# Altium PCB Layout.PcbDoc
Units mm, origin at the board's own origin, x right, y up, seen from the top; angles counter-clockwise.
Board outline 75 x 65 mm, 2 copper layers (Top Layer, Bottom Layer); 77 components, 63 nets, 325 pads, 92 vias.
Unrouted connection lines stored in the file: 80.
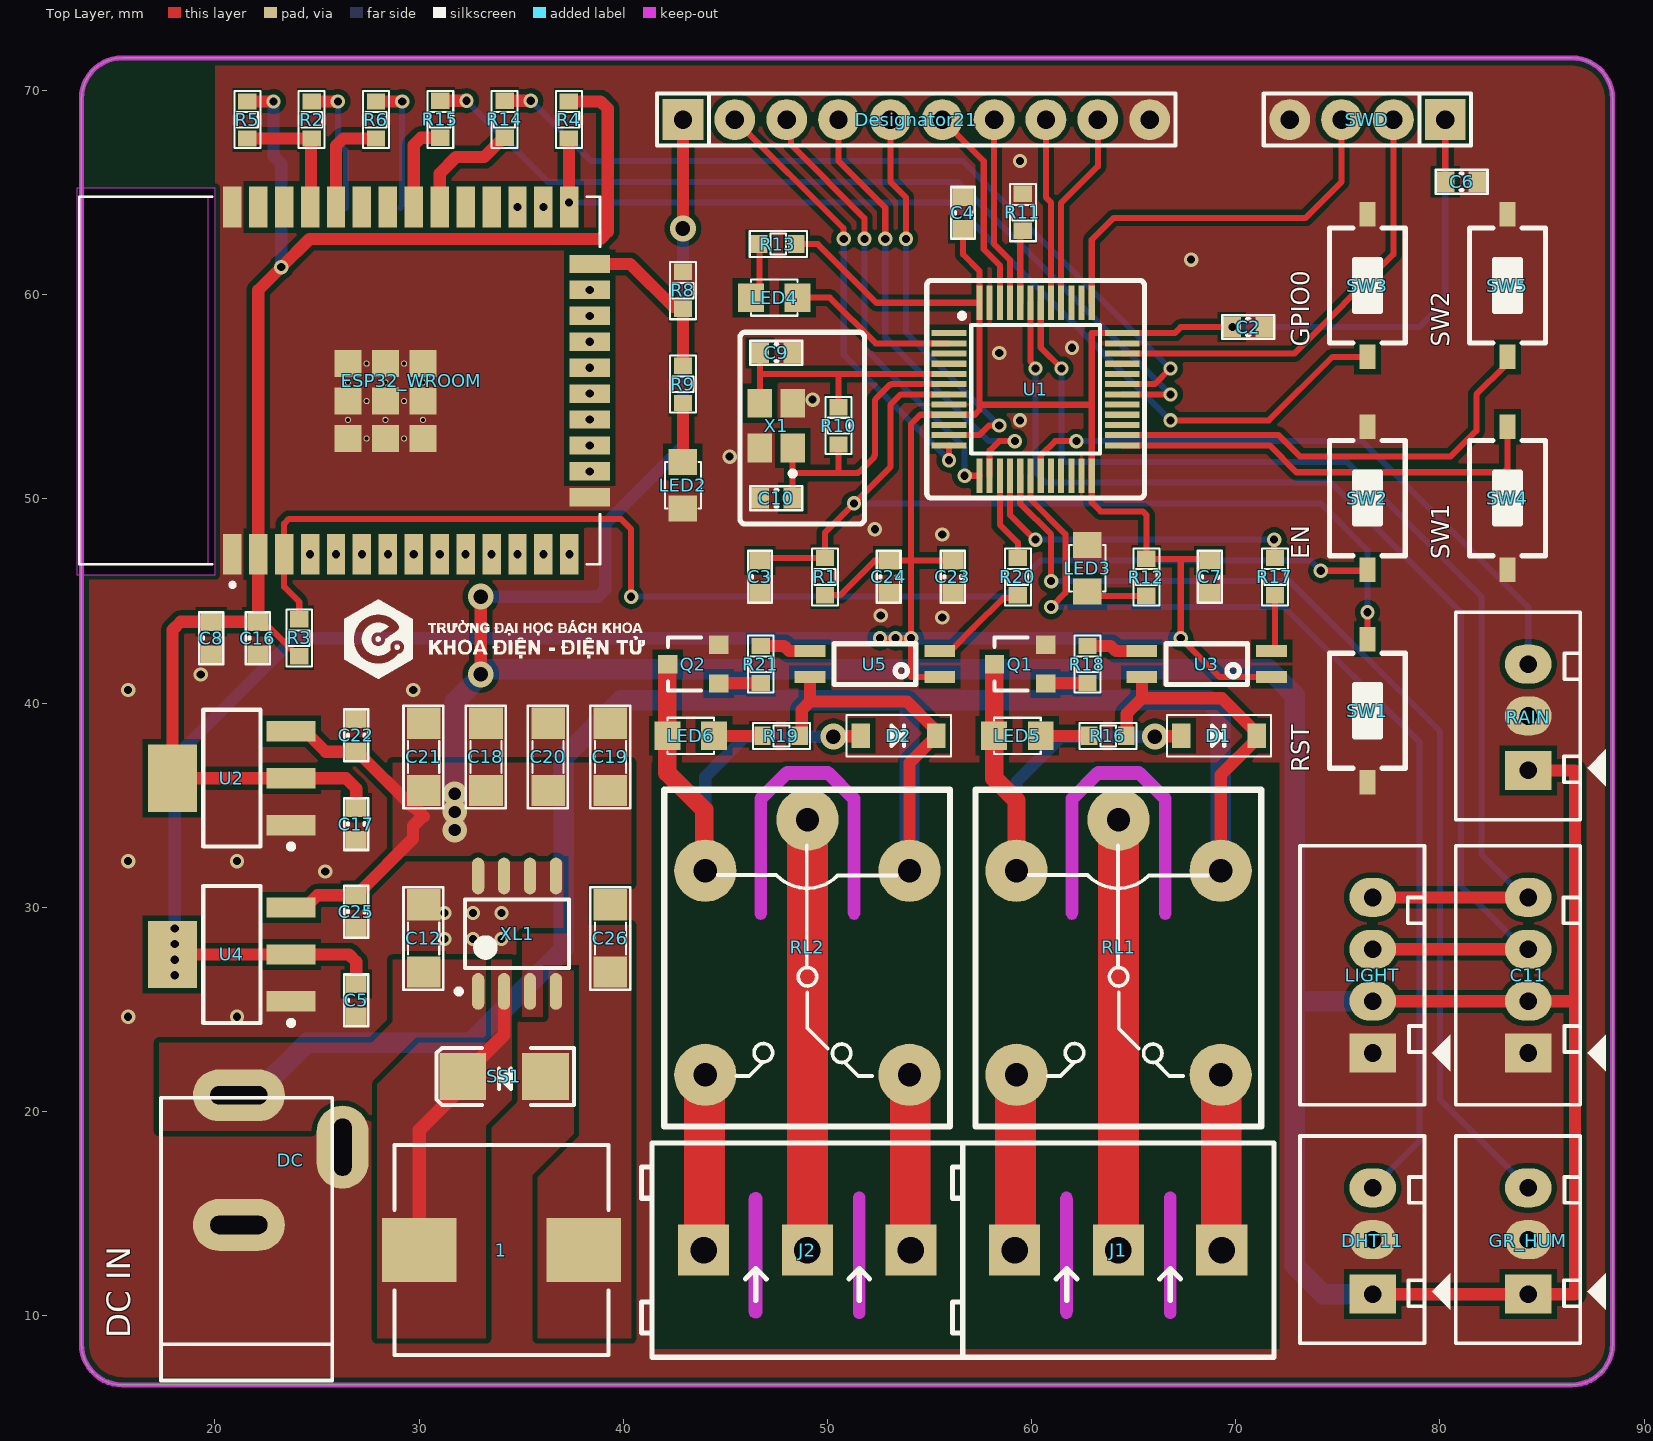
[diagram p0: Top Layer view]
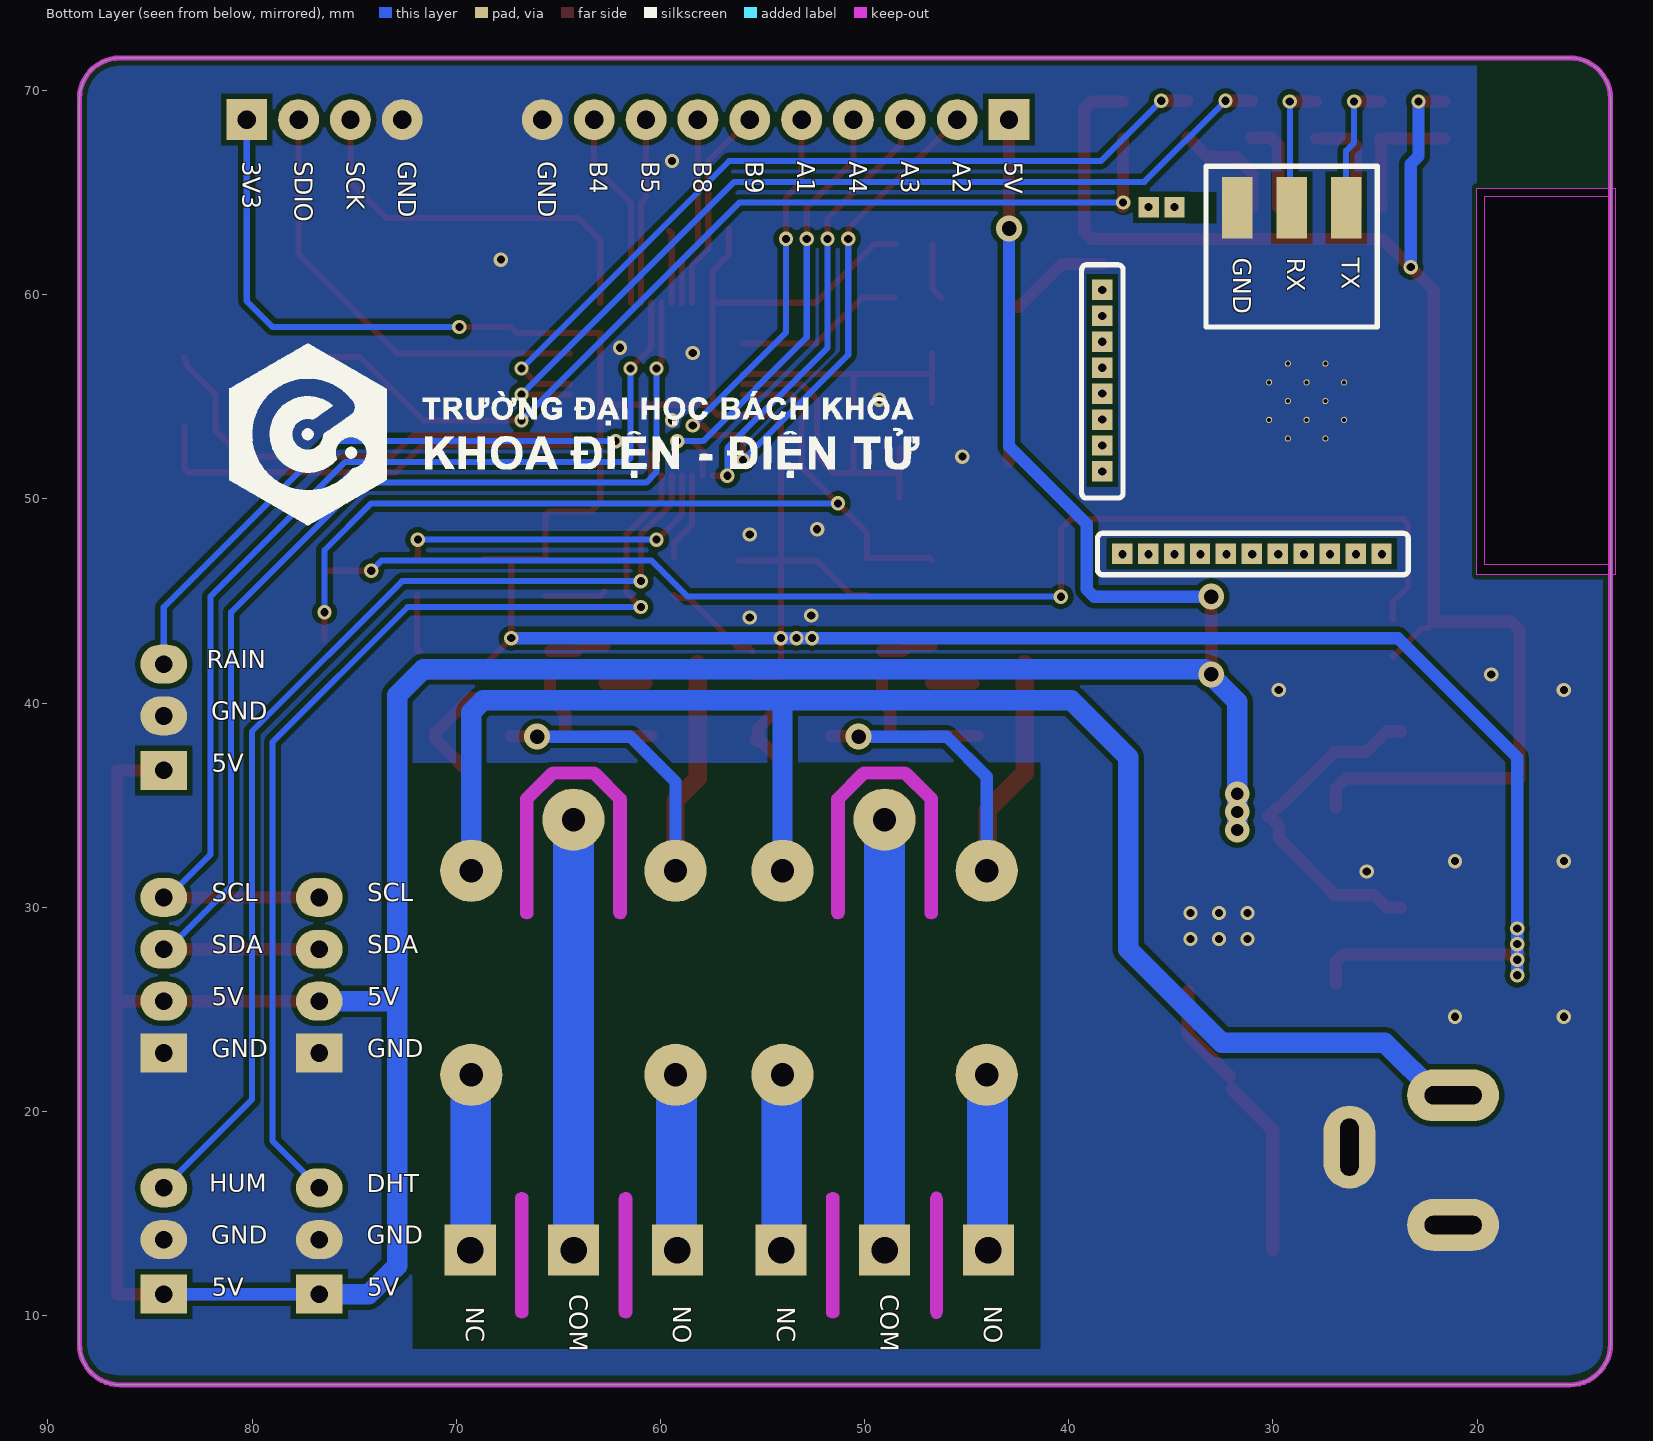
[diagram p1: Bottom Layer view, seen from below]
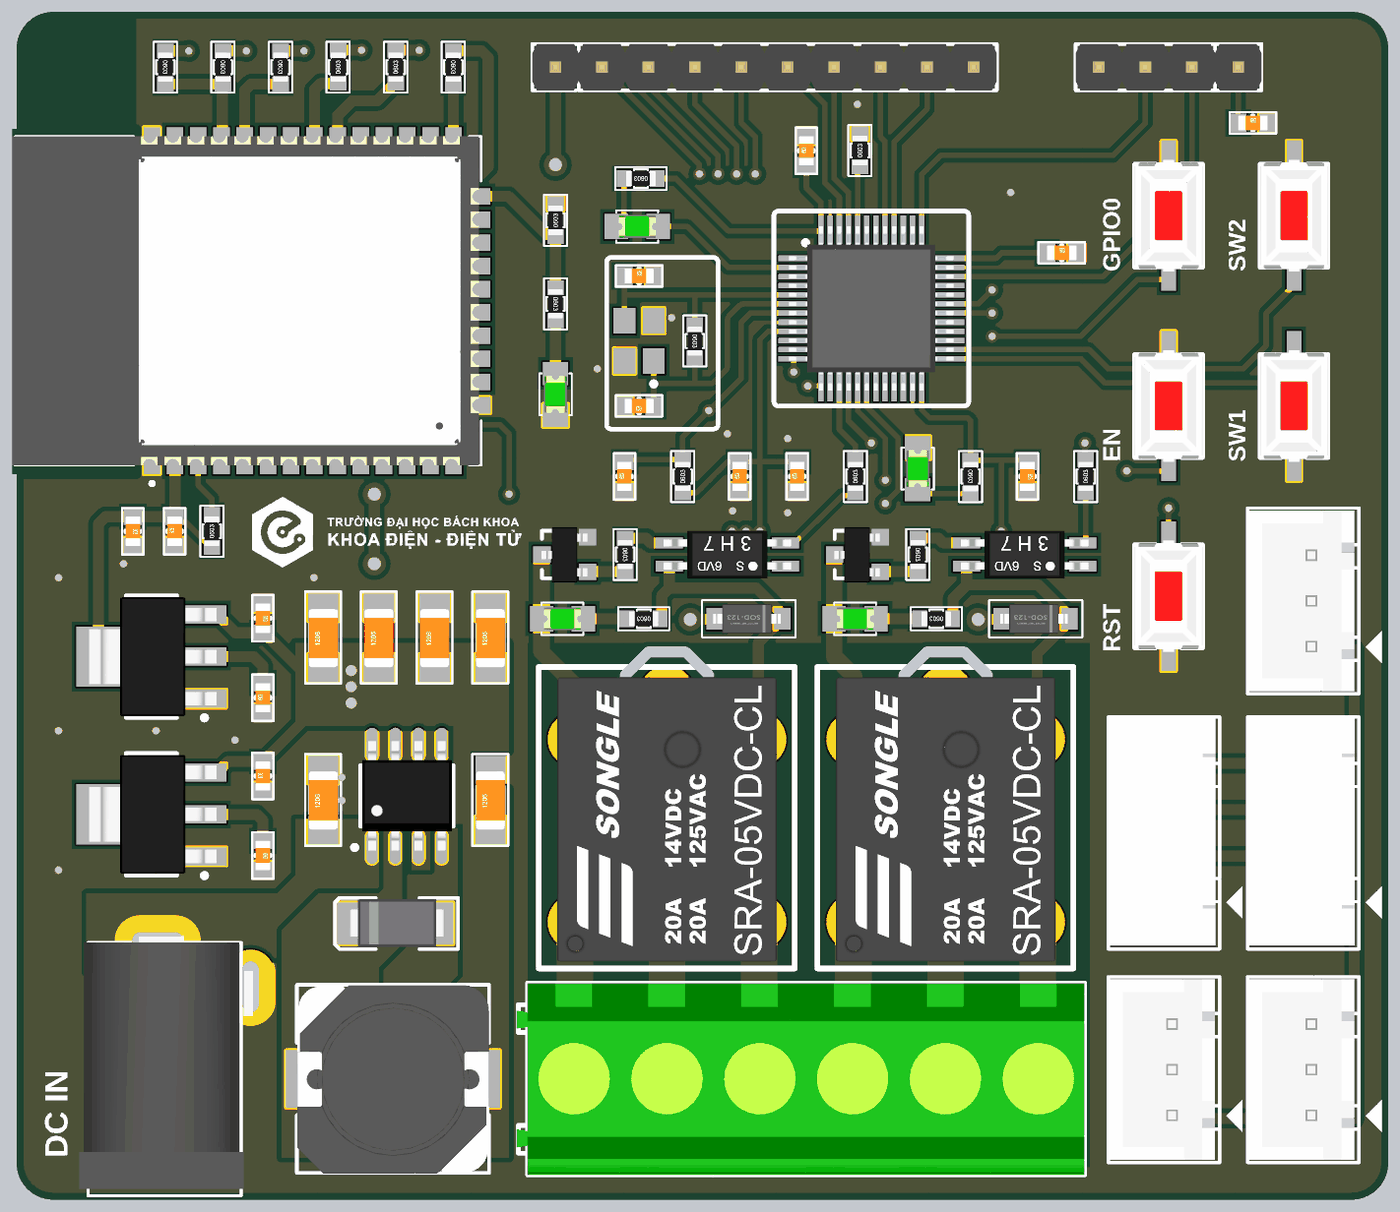
[diagram p2: 3D render of the assembled board from above, using the file's embedded part models]

## Layer stack, top to bottom
Top Solder: solder mask 0.0102, Solder Resist, Dk 3.5
Top Layer: signal copper 0.0356
Dielectric 1: dielectric 0.32, FR-4, Dk 4.8
Bottom Layer: signal copper 0.0356
Bottom Solder: solder mask 0.0102, Solder Resist, Dk 3.5

## Board outline
13.462,8.604 13.462,69.604 cw(c15.462,69.604) 15.462,71.604 86.462,71.604 cw(c86.462,69.604) 88.462,69.604 88.462,8.604 cw(c86.462,8.604) 86.462,6.604 15.462,6.604 cw(c15.462,8.604)
cut-out: 66.489,10.16 ccw(c66.789,10.16) 67.089,10.16 67.089,15.748 ccw(c66.789,15.748) 66.489,15.748
cut-out: 61.409,10.16 ccw(c61.709,10.16) 62.009,10.16 62.009,15.748 ccw(c61.709,15.748) 61.409,15.748
cut-out: 51.262,10.16 ccw(c51.562,10.16) 51.862,10.16 51.862,15.748 ccw(c51.562,15.748) 51.262,15.748
cut-out: 46.182,10.16 46.182,15.748 cw(c46.482,15.748) 46.782,15.748 46.782,10.16 cw(c46.482,10.16)
cut-out: 61.676,29.718 ccw(c61.976,29.718) 62.276,29.718 62.276,35.182 63.37,36.276 65.154,36.276 66.248,35.182 66.248,29.718 ccw(c66.548,29.718) 66.848,29.718 66.848,35.306 ccw(c66.548,35.306) 66.76,35.519 66.76,35.518 65.49,36.788 65.491,36.788 ccw(c65.278,36.576) 65.278,36.876 63.246,36.876 ccw(c63.246,36.576) 63.033,36.788 63.034,36.788 61.764,35.518 61.764,35.519 ccw(c61.976,35.306) 61.676,35.306
cut-out: 46.436,29.718 ccw(c46.736,29.718) 47.036,29.718 47.036,35.182 48.13,36.276 49.914,36.276 51.008,35.182 51.008,29.718 ccw(c51.308,29.718) 51.608,29.718 51.608,35.306 ccw(c51.308,35.306) 51.52,35.519 51.52,35.518 50.25,36.788 50.251,36.788 ccw(c50.038,36.576) 50.038,36.876 48.006,36.876 ccw(c48.006,36.576) 47.793,36.788 47.794,36.788 46.524,35.518 46.524,35.519 ccw(c46.736,35.306) 46.436,35.306
cut-out: 13.222,46.297 20.009,46.297 20.009,65.21 13.222,65.21

## Design rules (kind name [scope] priority, off if disabled: settings)
Clearance [All] p1: gap=0.256 ignorepadtopadclearanceinfootprint=TRUE
PolygonConnect [All] p1: connectstyle=Direct reliefconductorwidth=0.254 reliefentries=4 polygonreliefangle="90 Angle" airgapwidth=0.254
RoutingVias [All] p1: holewidth=0.711 width=1.27 viastyle="Through Hole" minholewidth=0.711 minwidth=1.27 maxholewidth=0.711 maxwidth=1.27
SolderMaskExpansion [All] p1: expansion=0.102 istentingtop=FALSE
Width [All] p1: maxlimit=3 minlimit=0.3 preferedwidth=0.6 minimp=50.000000 maximp=50.000000 favimp=50.000000
30 further rules are at their usual default settings.

## Classes and differential pairs
component class Sheet1: 1 C2 C3 C4 C5 C6 C7 C8 C9 C10 C11 C12 C16 C17 C18 C19 C22 C23 C24 D1 D2 DC DHT11 ESP32_WROOM GR_HUM J1 J2 LED2 LED4 LED5 LED6 LIGHT Q1 Q2 R1 R2 R3 R4 R5 R6 R8 R9 R10 R11 R13 R14 R15 R16 R17 R18 R19 R20 R21 RAIN RL1 RL2 SS1 SW2 SW3 "SW LIGHT" "SW MOTOR" SWD U1 U2 U4 X1 XL1

## Components (designator, comment, footprint, x,y, rotation, side; value= is the part's Value field where it differs from the comment)
1 "68uH" CDRH104R 34.036,13.208 r0 top value=1.5uH
C2 "0.1uF" CN-SMD-0603 70.612,58.42 r0 top value=103
C3 "0.1uF" CN-SMD-0603 46.699,46.182 r90 top value=103
C4 "0.1uF" CN-SMD-0603 56.642,64.008 r90 top value=103
C5 "0.1uF" CN-SMD-0603 26.924,25.438 r270 top value=103
C6 "0.1uF" CN-SMD-0603 81.064,65.532 r0 top value=103
C7 "0.1uF" CN-SMD-0603 68.736,46.182 r270 top value=103
C8 "10uF" CN-SMD-0603 19.812,43.18 r270 top value=103
C9 "20pF" CN-SMD-0603 47.498,57.15 r0 top value=103
C10 "20pF" CN-SMD-0603 47.498,50.038 r180 top value=103
C11 "LCD" Header4 84.328,22.86 r90 top
C12 "0.1uF" CN-SMD-1206 30.226,28.448 r90 top value=103
C16 "100nF" CN-SMD-0603 22.098,43.18 r90 top value=103
C17 "10uF" CN-SMD-0603 26.924,34.074 r90 top value=103
C18 "0.1uF" CN-SMD-1206 33.274,37.338 r90 top value=103
C19 "10uF" CN-SMD-1206 39.37,37.338 r90 top value=103
C20 "10uF" CN-SMD-1206 36.322,37.338 r90 top value=103 (schematic designator C19)
C21 "10uF" CN-SMD-1206 30.226,37.338 r90 top value=103 (schematic designator C19)
C22 "10uF" CN-SMD-0603 26.924,38.42 r270 top value=103
C23 "100nF" CN-SMD-0603 56.143,46.182 r90 top value=103
C24 "10uF" CN-SMD-0603 52.995,46.182 r90 top value=103
C25 "10uF" CN-SMD-0603 26.924,29.784 r90 top value=103 (schematic designator C22)
C26 "10uF" CN-SMD-1206 39.37,28.448 r90 top value=103 (schematic designator C19)
D1 "Diode SMD" DIO-SMD-123 69.088,38.392 r180 top value=1N5007 (schematic designator DIO1)
D2 "Diode SMD" DIO-SMD-123 53.396,38.392 r180 top value=1N5007 (schematic designator DIO2)
DC "Jac DC" DC0 23.712,17.613 r90 top (schematic designator JDC)
Designator21 "Comment" JP10-D1T 42.926,68.58 r0 top
DHT11 "DHT11" Header3 76.708,11.176 r90 top (schematic designator C26)
ESP32_WROOM "ESP32 WROOM 32" ESP32-WROOM-32D 26.11,55.793 r90 top locked (schematic designator *)
GR_HUM "GROUND_HUMIDITY" Header3 84.328,11.176 r90 top (schematic designator C25)
J1 "KF3" KF128-3P 59.169,13.208 r0 top
J2 "KF3" KF128-3P 43.942,13.208 r0 top
LED2 "LED" LED-0805-Green 42.926,51.816 r270 top value="LED 3 - 5 ly 2 Colour"
LED3 "LED" LED-0805-Green 62.732,45.466 r90 top value="LED 3 - 5 ly 2 Colour"
LED4 "LED" LED-0805-Green 46.253,59.86 r0 top value="LED 3 - 5 ly 2 Colour"
LED5 "LED" LED-0805-Green 60.452,38.392 r180 top value="LED 3 - 5 ly 2 Colour"
LED6 "LED" LED-0805-Green 44.45,38.392 r180 top value="LED 3 - 5 ly 2 Colour"
LIGHT "BH1750" Header4 76.708,22.86 r90 top (schematic designator C14)
Q1 "2SC1815" SOT23-321 59.436,41.91 r90 top value=C1815
Q2 "2SC1815" SOT23-321 43.434,41.91 r90 top value=C1815
R1 "10K" RES-SMD-0603 49.884,46.176 r90 top
R2 "1K" RES-SMD-0603 24.74,68.58 r270 top
R3 "10K" RES-SMD-0603 24.13,43.18 r90 top
R4 "10K" RES-SMD-0603 37.338,68.58 r270 top
R5 "10K" RES-SMD-0603 21.59,68.58 r270 top
R6 "1K" RES-SMD-0603 27.889,68.58 r270 top
R8 "10K" RES-SMD-0603 42.926,60.198 r90 top
R9 "1K" RES-SMD-0603 42.926,55.626 r270 top
R10 "1M" RES-SMD-0603 50.546,53.594 r270 top
R11 "10K" RES-SMD-0603 59.575,64.018 r90 top
R12 "1K" RES-SMD-0603 65.625,46.176 r270 top
R13 "1K" RES-SMD-0603 47.593,62.484 r180 top
R14 "1K" RES-SMD-0603 34.188,68.58 r90 top
R15 "1K" RES-SMD-0603 31.039,68.58 r90 top
R16 "1K" RES-SMD-0603 63.754,38.392 r180 top
R17 "1K" RES-SMD-0603 71.922,46.176 r90 top
R18 "1K" RES-SMD-0603 62.738,41.91 r270 top
R19 "1K" RES-SMD-0603 47.752,38.392 r180 top
R20 "1K" RES-SMD-0603 59.329,46.176 r90 top
R21 "1K" RES-SMD-0603 46.736,41.91 r270 top
RAIN "RAIN_SS" Header3 84.328,36.83 r90 top (schematic designator C21)
RL1 "Relay 10A/12V" "Relay - SRA-05VDC-CL" 64.262,26.595 r90 top value="Relay SPDT, 10A, 12V"
RL2 "Relay 10A/12V" "Relay - SRA-05VDC-CL" 49.022,26.595 r90 top value="Relay SPDT, 10A, 12V"
SS1 "SS34" DIO-SMD-A 34.29,21.59 r0 top
SW1 "EN/RST" SW1-SMD 76.454,39.624 r90 top value="SW chip 2 pin"
SW2 "EN/RST" SW1-SMD 76.454,50.038 r270 top value="SW chip 2 pin"
SW3 "BOOT" SW1-SMD 76.454,60.452 r270 top value="SW chip 2 pin"
SW4 "LIGHT" SW1-SMD 83.312,50.038 r90 top value="SW chip 2 pin"
SW5 "MOTOR" SW1-SMD 83.312,60.452 r270 top value="SW chip 2 pin"
SWD "SWD" JP4-D1T 80.264,68.58 r180 top (schematic designator C1)
U1 "STM32F103C8T6" LQFP-48_19.6_393_58X11_SMD 60.198,55.372 r0 top locked
U2 "LM1117-3.3V" SOT223 20.828,36.322 r90 top
U3 "Comment" EL3H7 68.58,41.91 r180 top
U4 "LM1117-3.3V" SOT223 20.828,27.686 r90 top
U5 "Comment" EL3H7 52.324,41.91 r180 top
X1 "8MHz" XT4-16.000MHz-4_V 47.498,53.594 r90 top value=4Mhz (schematic designator Y1)
XL1 "XL1509_5V" SO8 34.798,28.702 r90 top

## Footprints (in the part's own frame and the unit in brackets; to place one, negate y for a bottom-side part, rotate by r counter-clockwise, add the part's x,y. Pads: shape width x height; smd on the part's side, far side on the other; paste and mask are expansions set on the pad)
CDRH104R [mm] "Precision Wire Wound Inductor, 2-Leads, Body 10.35x10.15mm, IPC Medium Density"
  rect 3.65x3.15 smd: 1(-4.025,0) 2(4.025,0)
  silkscreen extent -5.25,-5.15 5.25,5.15, body extent -5.24,-5.17 5.26,5.13, height 4
CN-SMD-0603 [mm]
  rect 0.9x1 smd: 1(-0.8,0) 2(0.8,0)
  silkscreen extent -1.27,-0.58 1.27,0.58, body extent -0.8,-0.4 0.8,0.4, height 0.3
CN-SMD-1206 [mil]
  rect 60x65 smd: 1(-64,0) 2(66,0)
  silkscreen extent -98,-38 100,39, body extent -63,-31 63,32, height 40
DC0 [mm] "Jac DC input"
  oval 2.54x4.5 hole 0.9 slot 2.8 at 90 deg: 1(3.175,2.54) 2(-3.175,2.54)
  oval 4.064x2.54 hole 0.9 slot 2.8 at 0 deg: 3(0.635,-2.54)
  silkscreen extent -10.79,-2.03 3.05,6.35, body extent -10.42,-2.67 3.4,6.84, height 11.02
DIO-SMD-123 [mm]
  rect 0.9x1.2 smd: 1(1.757,0) 2(-1.943,0)
  silkscreen extent -2.65,-1.02 2.45,1.02, body extent -1.85,-0.8 1.85,0.8, height 1.25
DIO-SMD-A [mil]
  rect 90x90.55 smd: 1(75,5) 2(-85,5)
  silkscreen extent -135,-50 130,60, body extent -104,-45 101,57, height 95
EL3H7 [mm] "OPTO"
  rect 1.5x0.6 smd: A(-3.175,0.635) C(3.175,0.635) E(3.175,-0.635) K(-3.175,-0.635)
  silkscreen extent -2,-1 2,1, body extent -3.5,-1.3 3.5,1.3, height 2.02
ESP32-WROOM-32D [mm]
  rect 2x0.9 smd: 1(-8.5,5.26) 2(-8.5,3.99) 3(-8.5,2.72) 4(-8.5,1.45) 5(-8.5,0.18) 6(-8.5,-1.09) 7(-8.5,-2.36) 8(-8.5,-3.63) 9(-8.5,-4.9) 10(-8.5,-6.17) 11(-8.5,-7.44) 12(-8.5,-8.71) 13(-8.5,-9.98) 14(-8.5,-11.25) 25(8.5,-11.25) 26(8.5,-9.98) 27(8.5,-8.71) 28(8.5,-7.44) 29(8.5,-6.17) 30(8.5,-4.9) 31(8.5,-3.63) 32(8.5,-2.36) 33(8.5,-1.09) 34(8.5,0.18) 35(8.5,1.45) 36(8.5,2.72) 37(8.5,3.99) 38(8.5,5.26)
  rect 0.9x2 smd: 15(-5.715,-12.25) 16(-4.445,-12.25) 17(-3.175,-12.25) 18(-1.905,-12.25) 19(-0.635,-12.25) 20(0.635,-12.25) 21(1.905,-12.25) 22(3.175,-12.25) 23(4.445,-12.25) 24(5.715,-12.25)
  rect 1.33x1.33 smd: 39(-2.835,-2.24) 39(-2.835,-0.405) 39(-2.835,-4.075) 39(-1,-0.405) 39(-1,-4.075) 39(-1,-2.24) 39(0.835,-0.405) 39(0.835,-4.075) 39(0.835,-2.24)
  round 0.3 hole 0.2: 39(-2.835,-1.322) 39(-2.835,-3.157) 39(-1.917,-2.24) 39(-1.917,-0.405) 39(-1.917,-4.075) 39(-1,-1.322) 39(-1,-3.157) 39(-0.082,-0.405) 39(-0.082,-2.24) 39(-0.082,-4.075) 39(0.835,-1.322) 39(0.835,-3.157)
  Keep-Out Layer region: 9,6.45 -9,6.45 -9,12.75 9,12.75
  Keep-Out Layer region: 9,6.45 -9,6.45 -9,12.75 9,12.75
  silkscreen extent -10.1,-12.75 9,12.75, body extent -9,-12.62 9,12.88, height 3.2
Header3 [mil] "CON 3"
  rect 75x90 hole 34: 1(-5,0)
  oval 75x90 hole 34: 2(100,0) 3(200,0)
  silkscreen extent -100,-150 300,140, body extent -95,-90 295,136, height 276
Header4 [mil] "CON4"
  rect 75x90 hole 34: 1(0,0)
  oval 75x90 hole 34: 2(100,0) 3(200,0) 4(300,0)
  silkscreen extent -100,-150 400,140, body extent -92,-91 400,137, height 276
JP4-D1T [mm] "4 pins, 1 row, straight, gold plating"
  rect 2x2 hole 0.9: 1(0,0)
  round 2 hole 0.9: 2(2.54,0) 3(5.08,0) 4(7.62,0)
  silkscreen extent -1.27,-1.27 8.89,1.27, body extent -1.27,-1.27 8.89,1.27, height 8.54
JP10-D1T [mm] "10 pins, 1 row, straight, gold plating"
  rect 2x2 hole 0.9: 1(0,0)
  round 2 hole 0.9: 2(2.54,0) 3(5.08,0) 4(7.62,0) 5(10.16,0) 6(12.7,0) 7(15.24,0) 8(17.78,0) 9(20.32,0) 10(22.86,0)
  silkscreen extent -1.27,-1.27 24.13,1.27, body extent -1.27,-1.27 24.13,1.27, height 8.54
KF128-3P [mm]
  rect 2.5x2.5 hole 1.3: 1(0,0) 2(5.08,0) 3(10.147,0)
  silkscreen extent -3.05,-5.25 12.7,5.25, body extent -3.15,-5.25 12.69,5.25, height 14.55
LED-0805-Green [mil]
  rect 50x55 smd: 1(0,0) 2(90,0)
  silkscreen extent 0,-35 90,35, body extent 5,-25 85,25, height 43
LQFP-48_19.6_393_58X11_SMD [mm] "48LQFP"
  rect 1.7x0.3 smd mask+0.076: 1(-4.238,2.75) 2(-4.238,2.25) 3(-4.238,1.75) 4(-4.238,1.25) 5(-4.238,0.75) 6(-4.238,0.25) 7(-4.238,-0.25) 8(-4.238,-0.75) 9(-4.238,-1.25) 10(-4.238,-1.75) 11(-4.238,-2.25) 12(-4.238,-2.75) 25(4.238,-2.75) 26(4.238,-2.25) 27(4.238,-1.75) 28(4.238,-1.25) 29(4.238,-0.75) 30(4.238,-0.25) 31(4.238,0.25) 32(4.238,0.75) 33(4.238,1.25) 34(4.238,1.75) 35(4.238,2.25) 36(4.238,2.75)
  rect 0.3x1.7 smd mask+0.076: 13(-2.75,-4.238) 14(-2.25,-4.238) 15(-1.75,-4.238) 16(-1.25,-4.238) 17(-0.75,-4.238) 18(-0.25,-4.238) 19(0.25,-4.238) 20(0.75,-4.238) 21(1.25,-4.238) 22(1.75,-4.238) 23(2.25,-4.238) 24(2.75,-4.238) 37(2.75,4.238) 38(2.25,4.238) 39(1.75,4.238) 40(1.25,4.238) 41(0.75,4.238) 42(0.25,4.238) 43(-0.25,4.238) 44(-0.75,4.238) 45(-1.25,4.238) 46(-1.75,4.238) 47(-2.25,4.238) 48(-2.75,4.238)
  silkscreen extent -3.72,-3.15 3.15,3.72, body extent -4.5,-4.5 4.5,4.5, height 1.7
"Relay - SRA-05VDC-CL" [mil] "15.5 x 12.3 x 14mm"
  round 120 hole 45: 1(302.94,0) 2(-189.15,-196.85) 3(-189.15,196.85) 4(204.52,196.85) 5(204.52,-196.85)
  silkscreen extent -289,-275 361,276, body extent -275,-236 338,236, height 103
RES-SMD-0603 [mm]
  rect 0.8x0.9 smd: 1(-0.889,0) 2(0.927,0)
  silkscreen extent -1.4,-0.64 1.4,0.64, body extent -0.8,-0.4 0.8,0.4, height 0.43
SO8 [mm] "SOIC, 8-Leads, Body 4.9x3.9mm, Pitch 1.27mm, IPC High Density"
  oval 1.8x0.6 smd: 1(-2.825,1.905) 2(-2.825,0.635) 3(-2.825,-0.635) 4(-2.825,-1.905) 5(2.825,-1.905) 6(2.825,-0.635) 7(2.825,0.635) 8(2.825,1.905)
  silkscreen extent -2.95,-2.55 1.68,2.98, body extent -2.99,-2.45 3,2.45, height 1.6
SOT23-321 [mm]
  rect 0.9x0.95 smd mask+0: 1(0.95,-1.25)
  rect 0.9x0.95 smd: 2(0,1.25) 3(-0.95,-1.25)
  silkscreen extent -1.3,-0.38 1.3,1.25, body extent -1.52,-1.23 1.48,1.27, height 1.06
SOT223 [mm]
  rect 1x2.4 smd: 1(-2.3,-2.9) 2(0,-2.9) 3(2.3,-2.9)
  rect 3.3x2.4 smd: 4(0,2.9)
  silkscreen extent -3.47,-3.03 3.35,1.4, body extent -3.25,-3.56 3.25,3.4, height 1.68
SW1-SMD [mm]
  rect 1.2x0.8 smd: 1(-3.5,0) 2(3.5,0)
  silkscreen extent -2.82,-1.85 2.82,1.85, body extent -3.05,-1.85 3.05,1.85, height 2.5
XT4-16.000MHz-4_V [mm] "Hand Drawn, 4-Leads, Body 3.2x2.5 mm"
  rect 1.4x1.2 smd: 1(-1.1,-0.8) 2(1.1,-0.8) 3(1.1,0.8) 4(-1.1,0.8)
  silkscreen extent -2.47,-0.93 -2.23,-0.68, body extent -1.6,-1.25 1.6,1.25, height 0.9

## Part data
1: library part Inductor, "SMT Inductor"
C2 C3 C4 C5 C6 C7 C8 C9 C10 C12 C16 C17 C18 C19 C20 C21 C22 C23 C24 C25 C26: library part CM, "Cap SMD"
C11 LIGHT: library part Header4, "Header IDC, 4 x 1 Pin Vertical 2.54mm Pitch (Non-Boxed, Male)", Manufacturer="W¨¹rth Elektronik eiSos GmbH", partNo=613002143121, ComponentLink1 Description=Manufacturer, ComponentLink1URL=http://www.we-online.com, ComponentLink2 Description=Datasheet, ComponentLink2URL=http://katalog.we-online.de/em/datasheet/6130xx143121.pdf, Created by="Karrer Zheng", Created Date="29 March 2013", NoPins=02
D1 D2: "Default Diode", Code - JEDEC=DO-214-AB, Published=8-Jun-2000, Publisher="Altium Limited", Revision="July-2002: Re-released for DXP Platform."
DC: library part DCIN, "Jac DC input"
DHT11 GR_HUM RAIN: library part Header3, "Header IDC, 3 x 1 Pin Vertical 2.54mm Pitch (Non-Boxed, Male)", Manufacturer="W¨¹rth Elektronik eiSos GmbH", partNo=613002143121, ComponentLink1 Description=Manufacturer, ComponentLink1URL=http://www.we-online.com, ComponentLink2 Description=Datasheet, ComponentLink2URL=http://katalog.we-online.de/em/datasheet/6130xx143121.pdf, Created by="Karrer Zheng", Created Date="29 March 2013", NoPins=02
J1 J2: Manufacturer="Würth Elektronik eiSos GmbH", partNo=691103110003, ComponentLink1 Description=Manufacturer, ComponentLink1URL=http://www.we-online.com, ComponentLink2 Description=Datasheet, ComponentLink2URL=http://katalog.we-online.de/em/datasheet/6911031100xx.pdf, Created by="Karrer Zheng", Created Date="29 October 2013", NoPins=3
LED2 LED3 LED4 LED5 LED6: library part "LED SMD"
Q1 Q2: "NPN 600mW, ECB"
R1 R2 R3 R4 R5 R6 R8 R9 R10 R11 R12 R13 R14 R15 R16 R17 R18 R19 R20 R21: library part Res-SMD, "Resistor", Manufacturer="Generic Components", Class=Passive, Published=08/06/2000, Publisher="Altium Hobart Technology Centre"
RL1 RL2: library part "Relay 5", "Relay SPDT,10A - 12VDC 5 Pin"
SS1: library part "Diode SS34 ( 1N5822 )", "Dán", Chung_Loai=Dán, Don_Vi=Con, Ma_Hang=MH002104, Ten_Linh_Kien="Diode SS34 3A 40V SMA ( 1N5822 SS34A)"
SW1 SW2 SW3 SW4 SW5: library part SW2, "Switch button 2 pin"
SWD: library part JP4, "WR-PHD 2.54 mm Angled Socket Header", Manufacturer="W¨¹rth Elektronik eiSos GmbH", partNo=613004143121, ComponentLink1 Description=Manufacturer, ComponentLink1URL=http://www.we-online.com, ComponentLink2 Description=Datasheet, ComponentLink2URL=http://katalog.we-online.de/em/datasheet/6130xx143121.pdf, Created by="Karrer Zheng", Created Date="29 March 2013", NoPins=04
U1: library part IC_STM32F103C8T6, "ARM® Cortex®-M3 STM32F1 Microcontroller IC 32-Bit 72MHz 64KB (64K x 8) FLASH 48-LQFP (7x7)", Alternate Part Number-1=NA, Case/Package=LQFP48, Manufacturer=STMicroelectronics, Manufacturer Part Number=STM32F103C8T6, Supplier Part Number-1=STM32F103C8T6, Supplier-1=LCSC
U2 U4: library part LM1117, "800mA Low-Dropout Linear Regulator", Creator="Nguyen Ba Bien", Website=http://group3i.net
X1: library part "Thach Anh 2 chan SMD", "Crystal For all Crystal 2pin."
XL1: library part XL1509

## Free pads (board coordinates)
  rect 1.5x3 smd far side: 2(26.416,64.262) 2(29.083,64.262) 2(31.75,64.262)
  rect 1x1 smd far side: 3(24.683,47.315) 3(25.953,47.315) 3(27.223,47.315) 3(28.493,47.315) 3(29.763,47.315) 3(31.033,47.315) 3(32.303,47.315) 3(33.573,47.315) 3(34.82,64.293) 3(34.843,47.315) 3(36.09,64.293) 3(36.113,47.315) 3(37.383,47.315) 3(38.36,51.348) 3(38.36,52.618) 3(38.36,53.888) 3(38.36,55.158) 3(38.36,56.428) 3(38.36,57.698) 3(38.36,58.968) 3(38.36,60.238)

## Via types
v1: diameter 0.7, hole 0.4, Top Layer to Bottom Layer, tented both sides, 84 vias
v2: diameter 1.27, hole 0.711, Top Layer to Bottom Layer, tented both sides, 5 vias
v3: diameter 1.2, hole 0.6, Top Layer to Bottom Layer, tented both sides, 3 vias

## Nets (pads, with @x,y where several pads share a name; then routed paths per layer and width w, separated by ;. In a path a pad name is that pad's centre, name@x,y a point inside that pad or via, vN(x,y) a via of type N, cw(c..) or ccw(c..) an arc to the next point about the centre after c; other vN are vias at no path point)
+5: 1.2 C11.2 C18.1 C19.1 C20.1 C21.1 C22.2 C25.2 C26.1 Designator21.1 DHT11.1 GR_HUM.1 LIGHT.2 RAIN.1 U2.3 U4.3 XL1.3 | length 191.8
  Top Layer w0.6: U4.3 24.428,29.986 25.026,30.584 C25.2 26.974,30.584 27.124,30.734 27.124,30.784 29.7,33.361 29.7,33.98 30.162,34.442 30.226,34.442 29.764,34.904 29.69,34.904 26.974,37.62 C22.2 25.43,37.62 24.428,38.622 U2.3 ; v2(33.02,41.402) v2(33.02,45.212) ; v2(42.926,63.246) Designator21.1 ; DHT11.1 GR_HUM.1 86.614,11.049 86.614,25.4 ; LIGHT.2 C11.2 86.614,25.4 ; RAIN.1 86.614,36.703 86.614,25.4
  Bottom Layer w0.6: v2(33.02,45.212) 38.765,45.212 39.116,45.563 39.116,48.768 42.926,52.578 v2(42.926,63.246) ; DHT11.1 GR_HUM.1
  Bottom Layer w1: v3(31.75,33.782) v3(31.75,34.671) 31.75,40.059 33.02,41.329 v2(33.02,41.402) 33.093,41.402 33.347,41.656 71.628,41.656 72.898,40.386 72.898,25.4 ; DHT11.1 74.295,11.049 72.898,12.446 72.898,25.4 ; LIGHT.2 72.898,25.4
  other v3: 31.75,35.56
ADC1: Designator21.5 U1.11 | length 19.9
  Top Layer w0.3: Designator21.5 53.086,65.532 53.848,64.77 v1(53.848,62.738) ; U1.11 57.44,53.122 57.912,53.594 v1(58.42,53.594)
  Bottom Layer w0.3: v1(53.848,62.738) 53.848,58.166 v1(58.42,53.594)
ADC2/TX2: Designator21.2 U1.12 | length 21.8
  Top Layer w0.3: Designator21.2 50.788,63.258 50.788,62.75 v1(50.8,62.738) ; v1(55.96,51.896) U1.12
  Bottom Layer w0.3: v1(50.8,62.738) 50.8,57.056 v1(55.96,51.896)
ADC3/RX2: Designator21.3 U1.13 | length 21.8
  Top Layer w0.3: Designator21.3 48.223,68.363 48.223,67.347 51.816,63.754 v1(51.816,62.738) ; v1(56.722,51.134) U1.13
  Bottom Layer w0.3: v1(51.816,62.738) 51.816,57.404 56.722,52.498 v1(56.722,51.134)
ADC4: Designator21.4 U1.14 | length 22.7
  Top Layer w0.3: Designator21.4 50.546,66.548 52.832,64.262 v1(52.832,62.738) ; U1.14 57.948,52.36 58.42,52.832 v1(59.182,52.832)
  Bottom Layer w0.3: v1(52.832,62.738) 52.832,57.912 57.912,52.832 v1(59.182,52.832)
BOOT0: R11.1 U1.44 | length 3.6
  Top Layer w0.3: U1.44 59.448,63.001 R11.1
DHT11: DHT11.3 U1.18 | length 51
  Top Layer w0.3: U1.18 59.948,49.979 61.66,48.267 61.66,45.404 v1(60.96,44.704)
  Bottom Layer w0.3: v1(60.96,44.704) 72.39,44.704 78.994,38.1 78.994,18.542 DHT11.3
EN: Designator21.6 Designator21.7 Designator21.8 Designator21.9 ESP32_WROOM.3 ESP32_WROOM.4 ESP32_WROOM.5 ESP32_WROOM.6 ESP32_WROOM.7 ESP32_WROOM.8 ESP32_WROOM.9 ESP32_WROOM.10 ESP32_WROOM.11 ESP32_WROOM.12 ESP32_WROOM.13 ESP32_WROOM.14 ESP32_WROOM.16 ESP32_WROOM.17 ESP32_WROOM.18 ESP32_WROOM.19 ESP32_WROOM.20 ESP32_WROOM.21 ESP32_WROOM.22 ESP32_WROOM.23 ESP32_WROOM.26 ESP32_WROOM.27 ESP32_WROOM.28 pad.3 R3.2 SW2.2 U1.40 U1.41 U1.45 U1.46 | length 100.8
  Top Layer w0.3: R3.2 24.13,44.958 23.39,45.698 ESP32_WROOM.3 23.39,48.79 23.622,49.022 39.878,49.022 40.386,48.514 v1(40.386,45.212) ; Designator21.6 57.658,66.548 57.658,62.23 58.448,61.44 U1.46 ; Designator21.7 58.166,62.484 58.948,61.702 U1.45 ; Designator21.8 60.706,64.77 60.948,64.528 U1.41 ; U1.40 61.448,64.496 63.246,66.294 Designator21.9 ; v1(74.168,46.482) 76.398,46.482 SW2.2
  Bottom Layer w0.3: v1(40.386,45.212) 58.674,45.212 60.452,46.99 73.66,46.99 v1(74.168,46.482)
  other v1: 24.66,47.293 25.93,47.293 27.2,47.293 28.47,47.293 29.74,47.293 31.01,47.293 32.28,47.293 33.55,47.293 34.82,47.293 36.09,47.293 37.36,47.293 38.36,51.348 38.36,52.618 38.36,53.888 38.36,55.158 38.36,56.428 38.36,57.698 38.36,58.968 38.36,60.238 34.82,64.293 36.09,64.293
FLASH_RX: pad.2@29.083,64.262 R6.1 | length 6.5
  Top Layer w0.6: R6.1 v1(29.172,69.469)
  Bottom Layer w0.3: pad.2@29.083,64.262 29.172,64.351 v1(29.172,69.469)
FLASH_TX: pad.2@26.416,64.262 R2.1 | length 6.7
  Top Layer w0.6: R2.1 v1(26.022,69.469)
  Bottom Layer w0.3: v1(26.022,69.469) 26.022,67.45 26.416,67.056 pad.2@26.416,64.262
GND: C2.2 C3.1 C4.2 C5.2 C6.2 C7.2 C8.2 C9.2 C10.2 C11.1 C12.2 C16.1 C17.1 C18.2 C19.2 C20.2 C21.2 C22.1 C23.1 C24.1 C25.1 C26.2 DC.2 DC.3 Designator21.10 DHT11.2 ESP32_WROOM.1 ESP32_WROOM.15 ESP32_WROOM.38 ESP32_WROOM.39 GR_HUM.2 LED2.2 LED3.2 LIGHT.1 pad.2@31.75,64.262 Q1.1 Q2.1 R8.2 R11.2 RAIN.2 SS1.1 SW1.1 SW2.1 SW3.1 SW4.1 SW5.1 SWD.4 U1.8 U1.23 U1.35 U1.47 U2.1 U4.1 X1.2 X1.4 XL1.4 XL1.5 XL1.6 XL1.7 XL1.8
  other v1: 15.748,24.638 21.082,24.638 31.242,28.448 32.639,28.448 34.036,28.448 31.242,29.718 32.639,29.718 34.036,29.718 25.4,31.75 15.748,32.258 21.082,32.258 15.748,40.64 29.718,40.64 19.304,41.402 55.626,44.196 52.611,44.294 55.626,48.26 52.324,48.514 45.212,52.07 59.436,53.848 49.276,54.864 58.42,57.15 61.976,57.404 67.818,61.722 59.436,66.548
GPIO0: ESP32_WROOM.25 R4.2 SW3.2 | length 48.2
  Top Layer w0.3: v1(66.802,53.848) 71.628,53.848 74.732,56.952 SW3.2
  Top Layer w0.6: R4.2 37.349,67.642 37.349,64.304 ESP32_WROOM.25
  Bottom Layer w0.3: v1(37.338,64.516) 56.134,64.516 v1(66.802,53.848)
GPIO2: ESP32_WROOM.24 R8.1 R9.1 | length 8.3
  Top Layer w0.6: ESP32_WROOM.24 40.346,61.508 42.445,59.409 42.826,59.409 R8.1 R9.1
GPIO22: ESP32_WROOM.36
GPIO23: ESP32_WROOM.37
GR_HUM: GR_HUM.3 U1.17 | length 52
  Top Layer w0.3: U1.17 59.448,49.772 60.96,48.26 v1(60.96,45.974)
  Bottom Layer w0.3: v1(60.96,45.974) 72.644,45.974 80.01,38.608 80.01,20.574 GR_HUM.3
Net1_1: 1.1 SS1.2 XL1.2 | length 13.7
  Top Layer w0.65: 1.1 30.011,19.082 32.004,21.075 SS1.2@32.004,21.082 ; SS1.2 32.131,21.724 32.949,22.542 32.956,22.542 34.163,23.749 XL1.2
Net*_34: ESP32_WROOM.34 R6.2 | length 5.1
  Top Layer w0.6: ESP32_WROOM.34 25.93,67.302 26.282,67.653 R6.2
NetDIO1_1: D1.1 LED5.2 Q1.2 RL1.4 | length 24
  Top Layer w0.6: v2(66.04,38.354) 66.059,38.373 67.312,38.373 D1.1
  Top Layer w0.9: Q1.2 58.166,41.91 LED5.2 58.166,36.322 59.262,35.226 RL1.4
  Bottom Layer w0.6: RL1.4 59.262,36.148 61.468,38.354 v2(66.04,38.354)
NetDIO2_1: D2.1 LED6.2 Q2.2 RL2.4 | length 23.9
  Top Layer w0.6: v2(50.292,38.354) 50.311,38.373 51.62,38.373 D2.1
  Top Layer w0.9: Q2.2@42.164,41.91 42.164,36.576 43.973,34.767 43.973,31.84 RL2.4
  Bottom Layer w0.6: RL2.4 44.022,36.402 45.974,38.354 v2(50.292,38.354)
NetJ1_1: J1.3 RL1.2 | length 17.1
  Top Layer w1: RL1.2 RL1.2@69.289,21.764 ; J1.3@69.289,13.235 J1.3
  Top Layer w2: J1.3@69.289,13.235 RL1.2@69.289,21.764
  Bottom Layer w2: J1.3@69.289,13.235 RL1.2@69.289,21.764
NetJ1_2: J1.2 RL1.1 | length 42.2
  Top Layer w1: J1.2 J1.2@64.256,13.214 ; RL1.1@64.256,34.284 RL1.1
  Top Layer w2: J1.2@64.256,13.214 RL1.1@64.256,34.284
  Bottom Layer w2: J1.2@64.256,13.214 RL1.1@64.256,34.284
NetJ1_3: J1.1 RL1.3 | length 17.1
  Top Layer w1: J1.1 J1.1@59.216,13.254 ; RL1.3@59.216,21.745 RL1.3
  Top Layer w2: J1.1@59.216,13.254 RL1.3@59.216,21.745
  Bottom Layer w2: J1.1@59.216,13.254 RL1.3@59.216,21.745
NetJ2_1: J2.3 RL2.2 | length 17.1
  Top Layer w1: RL2.2 RL2.2@54.056,21.757 ; J2.3@54.056,13.242 J2.3
  Top Layer w2: J2.3@54.056,13.242 RL2.2@54.056,21.757
  Bottom Layer w2: J2.3@54.056,13.242 RL2.2@54.056,21.757
NetJ2_2: J2.2 RL2.1 | length 42.2
  Top Layer w2: J2.2 RL2.1
  Bottom Layer w2: J2.2 RL2.1
NetJ2_3: J2.1 RL2.3 | length 17.1
  Top Layer w1: J2.1 J2.1@43.982,13.248 ; RL2.3@43.982,21.751 RL2.3
  Top Layer w2: J2.1@43.982,13.248 RL2.3@43.982,21.751
  Bottom Layer w2: J2.1@43.982,13.248 RL2.3@43.982,21.751
NetLED1_1: 
NetLED2_1: LED2.1 R9.2 | length 2.9
  Top Layer w0.6: LED2.1 R9.2
NetLED3_1: LED3.1 R12.2 | length 3
  Top Layer w0.3: LED3.1 62.948,45.25 R12.2
NetLED4_1: LED4.1 R13.2 | length 2.8
  Top Layer w0.3: LED4.1 46.667,60.274 R13.2
NetLED5_1: LED5.1 R16.2 | length 2.4
  Top Layer w0.6: LED5.1 R16.2
NetLED6_1: LED6.1 R19.2 | length 2.4
  Top Layer w0.6: LED6.1 R19.2
NetQ1_3: Q1.3 R18.2 | length 2.1
  Top Layer w0.6: Q1.3 60.698,40.972 62.727,40.972 R18.2
NetQ2_3: Q2.3 R21.2 | length 2.1
  Top Layer w0.6: Q2.3 44.696,40.972 46.725,40.972 R21.2
NetR17_1: R17.1 U3.K | length 2.9
  Top Layer w0.3: U3.K 71.922,42.545 R17.1
NetR18_1: R18.1 U3.E | length 2.8
  Top Layer w0.6: R18.1 63.881,42.799 64.135,42.545 U3.E
NetR20_1: R20.1 U5.K | length 5
  Top Layer w0.3: U5.K 55.649,42.695 56.157,42.695 57.15,43.688 57.152,43.688 58.605,45.14 59.182,45.14 R20.1
NetR21_1: R21.1 U5.E | length 2.5
  Top Layer w0.6: R21.1 47.879,42.799 48.133,42.545 U5.E
OSC_IN: C9.1 R10.1 U1.5 X1.3 | length 13.3
  Top Layer w0.3: X1.3 C9.1 ; 46.748,56.122 50.546,56.122 ; R10.1 50.546,56.122 ; U1.5 50.546,56.122
OSC_OUT: C10.1 R10.2 U1.6 X1.1 | length 14.9
  Top Layer w0.3: C10.1 48.298,51.266 ; X1.1 48.298,51.266 ; R10.2 50.546,51.266 ; U1.6 53.206,55.622 ccw(c53.206,55.322) 52.995,55.535 52.412,54.952 ccw(c52.624,54.74) 52.324,54.74 52.324,52.194 cw(c52.024,52.194) 52.237,51.983 51.608,51.354 cw(c51.396,51.566) 51.396,51.266 50.546,51.266 ; 48.298,51.266 50.546,51.266
OUTPUT_1: R20.2 U1.15 | length 4.4
  Top Layer w0.3: U1.15 58.448,48.74 59.329,47.859 R20.2
OUTPUT_2: R17.2 U1.16 | length 16.3
  Top Layer w0.3: U1.16 58.948,49.205 60.147,48.006 v1(60.198,48.006) ; v1(71.882,48.006) 71.882,47.143 R17.2
  Bottom Layer w0.3: v1(60.198,48.006) v1(71.882,48.006)
PB12: SW4.2 U1.25 | length 21.5
  Top Layer w0.3: U1.25 71.662,52.622 72.976,51.308 83.136,51.308 83.312,51.484 SW4.2
PB13: 
PB14: U1.27
PB15: U1.28
PC13: LED4.2 U1.2 | length 8.3
  Top Layer w0.3: LED4.2 50.122,59.86 52.36,57.622 U1.2
RAIN: RAIN.3 U1.19 | length 31.3
  Top Layer w0.3: U1.19 60.448,52.129 61.151,52.832 v1(62.194,52.832)
  Bottom Layer w0.3: v1(62.194,52.832) 76.2,52.832 84.328,44.704 RAIN.3
RST: C3.2 R1.2 SW1.2 U1.7 | length 45.6
  Top Layer w0.3: C3.2 46.82,47.103 R1.2 49.884,48.36 53.086,51.562 53.086,54.61 53.598,55.122 U1.7 ; SW1.2 v1(76.454,44.45)
  Bottom Layer w0.3: v1(51.308,49.784) 74.168,49.784 76.454,47.498 v1(76.454,44.45)
RX1_STM: R14.2 U1.31 | length 40.7
  Top Layer w0.3: U1.31 66.036,55.622 v1(66.802,56.388)
  Top Layer w0.6: R14.2 v1(35.471,69.507)
  Bottom Layer w0.3: v1(35.471,69.507) 38.43,66.548 56.642,66.548 v1(66.802,56.388)
RX_ESP: ESP32_WROOM.31 R15.1 | length 4.5
  Top Layer w0.6: ESP32_WROOM.31 29.74,67.34 30.092,67.691 R15.1
SCL1: C11.4 LIGHT.4 U1.42 | length 54.8
  Top Layer w0.3: U1.42 60.448,57.408 v1(61.468,56.388)
  Top Layer w0.6: LIGHT.4 C11.4
  Bottom Layer w0.3: v1(61.468,56.388) 61.468,51.992 61.644,51.816 75.438,51.816 82.042,45.212 82.042,32.575 84.138,30.48 C11.4
SDA1: C11.3 LIGHT.3 U1.43 | length 57.7
  Top Layer w0.3: U1.43 59.948,56.746 60.198,56.496 v1(60.198,56.388)
  Top Layer w0.6: LIGHT.3 C11.3
  Bottom Layer w0.3: v1(60.198,56.388) 60.198,51.308 60.706,50.8 74.676,50.8 81.026,44.45 81.026,31.051 84.138,27.94 C11.3
SW_LIGHT: 
SW_MOTOR: SW5.2 U1.26 | length 22.5
  Top Layer w0.3: U1.26 72.1,53.122 73.152,52.07 80.518,52.07 81.788,53.34 81.788,55.118 83.172,56.502 SW5.2
SWDCLK: SWD.3 U1.37 | length 19.5
  Top Layer w0.3: U1.37 62.948,62.694 64.008,63.754 73.406,63.754 75.184,65.532 SWD.3
SWDIO: SWD.2 U1.34 | length 21.9
  Top Layer w0.3: U1.34 72.87,57.122 77.724,61.976 SWD.2
TX0: ESP32_WROOM.35 R2.2 R5.2 | length 6.5
  Top Layer w0.6: R5.2 R2.2 24.7,67.614 24.7,64.333 ESP32_WROOM.35
TX1_STM: R15.2 U1.30 | length 44.1
  Top Layer w0.3: U1.30 66.798,55.122 v1(66.802,55.118)
  Top Layer w0.6: R15.2 v1(32.321,69.507)
  Bottom Layer w0.3: v1(32.321,69.507) 36.296,65.532 56.388,65.532 v1(66.802,55.118)
TX_ESP: ESP32_WROOM.30 R14.1 | length 5.6
  Top Layer w0.6: ESP32_WROOM.30 31.01,65.943 31.811,66.743 33.19,66.743 34.138,67.691 R14.1
VCC: C12.1 D1.2 D2.2 DC.1 R16.1 R19.1 RL1.5 RL2.5 U3.C U5.C XL1.1 | length 112.3
  Top Layer w0.6: R19.1 48.741,38.492 48.741,39.667 49.149,40.075 ; U5.C 49.149,40.075 ; RL2.5 54.022,37.075 55.039,38.092 55.189,38.092 55.339,38.242 55.189,38.392 55.189,38.791 53.905,40.075 49.149,40.075 ; R16.1@64.643,38.442 64.643,38.525 64.66,38.542 64.66,39.495 65.405,40.24 ; U3.C 65.405,40.24 ; RL1.5 69.262,36.473 71.031,38.242 71.031,38.542 69.334,40.24 65.405,40.24
  Bottom Layer w1: DC.1 21.934,20.788 24.514,23.368 32.512,23.368 37.084,27.94 37.084,37.338 39.878,40.132 54.022,40.132 ; RL2.5 54.022,40.132 ; RL1.5 69.262,39.546 68.676,40.132 54.022,40.132
VESP: C8.1 C16.2 C17.2 ESP32_WROOM.2 R3.1 R4.1 R5.1 U2.2 U2.4 | length 76.7
  Top Layer w0.3: C16.2 22.398,43.68 22.691,43.68 24.08,42.291 R3.1
  Top Layer w0.6: R5.1 v1(22.873,69.469) ; C17.2 26.924,35.814 26.416,36.322 U2.2 U2.4 17.928,43.582 18.326,43.98 C16.2 22.12,44.002 ESP32_WROOM.2 22.12,60.22 v1(23.252,61.352) 24.637,62.737 38.89,62.737 39.243,63.089 39.243,69.118 38.891,69.469 R4.1
  Bottom Layer w0.6: v1(22.873,69.469) 22.873,66.789 23.252,66.41 v1(23.252,61.352)
VSTM: C2.1 C4.1 C5.1 C6.1 C7.1 C23.2 C24.2 R1.1 R12.1 R13.1 SWD.1 U1.9 U1.24 U1.36 U1.48 U3.A U4.2 U4.4 U5.A | length 178.9
  Top Layer w0.3: R13.1 49.53,62.484 52.404,59.61 U1.48 ; R1.1 50.621,45.287 52.316,46.982 C24.2 54.102,46.982 ; v1(52.578,43.18) v1(53.34,43.18) v1(54.102,43.18) ; U5.A 54.102,41.275 v1(54.102,43.18) ; C23.2 54.102,46.982 ; C4.1 56.642,61.976 57.448,61.17 U1.48 ; C7.1 68.653,47.065 67.31,47.065 ; C2.1 67.31,58.42 67.012,58.122 U1.36 62.948,58.122 62.948,54.61 ; U3.A 69.215,41.275 v1(67.31,43.18) 67.31,47.065 ; C6.1 SWD.1 ; v1(54.102,43.18) 54.102,46.982 ; 54.102,46.982 54.102,53.672 54.552,54.122 U1.9 57.214,54.122 57.448,54.356 57.448,54.61 ; 57.448,54.61 U1.48 ; 57.448,54.61 62.948,54.61 ; 62.948,54.61 U1.24 62.948,49.828 63.384,49.392 65.449,49.392 65.625,49.216 R12.1 67.31,47.065
  Top Layer w0.6: U4.4 U4.2 26.573,27.686 26.924,27.335 C5.1
  Bottom Layer w0.3: v1(69.85,58.42) 78.994,58.42 80.264,59.69 SWD.1
  Bottom Layer w0.6: v1(18.034,26.67) v1(18.034,27.432) v1(18.034,28.194) v1(18.034,28.956) 18.034,37.338 23.876,43.18 v1(52.578,43.18) v1(53.34,43.18) v1(54.102,43.18) v1(67.31,43.18)
pads on no net: ESP32_WROOM.29 ESP32_WROOM.32 ESP32_WROOM.33 U1.1 U1.3 U1.4 U1.10 U1.20 U1.21 U1.22 U1.29 U1.32 U1.33 U1.38 U1.39

## Polygon pours and split planes (outlines as drawn)
GND on Top Layer "GND_L01_P005" (solid, pour order 5): 13.462,8.604 13.462,69.604 cw(c15.462,69.604) 15.462,71.604 86.462,71.604 cw(c86.462,69.604) 88.462,69.604 88.462,8.604 cw(c86.462,8.604) 86.462,6.604 15.462,6.604 cw(c15.462,8.604)
+5 on Top Layer "+5_L01_P003" (solid, pour order 3): 35.052,28.702 37.338,28.702 37.338,32.512 28.702,32.512 28.702,37.084 40.386,37.084 40.386,8.89 35.814,8.89 35.814,16.764 37.846,18.796 37.846,27.178 36.068,27.178 36.068,24.638 35.052,24.638
VCC on Top Layer "VCC_L01_P004" (solid, pour order 4): 33.528,27.432 28.702,27.432 28.702,24.384 27.686,23.368 17.272,23.368 17.272,19.05 33.528,19.05
Net1_1 on Top Layer "NET1_1_L01_P002" (solid, pour order 2): 33.528,27.432 33.528,23.622 33.274,23.368 29.972,23.368 27.94,21.336 27.94,8.89 33.274,8.89 33.274,19.304 34.544,20.574 34.544,27.432
GND on Bottom Layer "GND_L02_P006" (solid, pour order 6): 13.55,9.088 13.55,70.088 cw(c15.55,70.088) 15.55,72.088 86.55,72.088 cw(c86.55,70.088) 88.55,70.088 88.55,9.088 cw(c86.55,9.088) 86.55,7.088 15.55,7.088 cw(c15.55,9.088)

## Keep-outs
Keep-Out Layer:
  lines w0.254: 13.462,8.604 ccw(c15.462,8.604) 15.462,6.604 86.462,6.604 ccw(c86.462,8.604) 88.462,8.604 88.462,69.604 ccw(c86.462,69.604) 86.462,71.604 15.462,71.604 ccw(c15.462,69.604) 13.462,69.604 13.462,8.604
  lines w0.6: 46.482,10.16 46.482,15.748 ; 46.736,29.718 46.736,35.306 48.006,36.576 50.038,36.576 51.308,35.306 51.308,29.718 ; 51.562,10.16 51.562,15.748 ; 61.709,10.16 61.709,15.748 ; 61.976,29.718 61.976,35.306 63.246,36.576 65.278,36.576 66.548,35.306 66.548,29.718 ; 66.789,10.16 66.789,15.748

## Other copper
Top Layer:
  pour cut-out: 13.462,65.21 20.009,65.21 20.009,71.628 13.462,71.628
  pour cut-out: 41.402,37.084 41.402,8.382 72.136,8.382 72.136,37.084
Bottom Layer:
  pour cut-out: 13.462,65.21 20.009,65.21 20.009,71.628 13.462,71.628
  pour cut-out: 41.402,37.084 41.402,8.382 72.136,8.382 72.136,37.084

## Silkscreen, mask and mechanical layers (free items; w line width, h text height)
Top Overlay:
  drawing of 63 lines, arcs and shapes, not listed
  text "GPIO0" at 73.891,57.45 h1.5 r90
  text "SW2" at 80.749,57.45 h1.5 r90
  text "EN" at 73.891,47.036 h1.5 r90
  text "SW1" at 80.749,47.036 h1.5 r90
  text "RST" at 73.891,36.622 h1.5 r90
  text "DC IN" at 16.234,8.89 h2 r90
Bottom Overlay:
  drawing of 67 lines, arcs and shapes, not listed
  text "A2" at 45.974,66.548 h1.5 r90
  text "A3" at 48.498,66.548 h1.5 r90
  text "A4" at 51.054,66.548 h1.5 r90
  text "A1" at 53.594,66.548 h1.5 r90
  text "B9" at 56.117,66.548 h1.5 r90
  text "B8" at 58.657,66.548 h1.5 r90
  text "B5" at 61.198,66.548 h1.5 r90
  text "B4" at 63.754,66.548 h1.5 r90
  text "GND" at 66.278,66.547 h1.5 r90
  text "GND" at 73.129,66.548 h1.5 r90
  text "SCK" at 75.669,66.548 h1.5 r90
  text "SDIO" at 78.209,66.548 h1.5 r90
  text "3V3" at 80.749,66.548 h1.5 r90
  text "5V" at 43.418,66.515 h1.5 r90
  text "TX" at 26.924,61.816 h1.5 r90
  text "RX" at 29.591,61.816 h1.5 r90
  text "GND" at 32.242,61.815 h1.5 r90
  text "RAIN" at 82.215,41.402 h1.5
  text "GND" at 82.01,38.878 h1.5
  text "5V" at 81.975,36.338 h1.5
  text "SCL" at 74.354,29.989 h1.5
  text "SCL" at 81.974,29.989 h1.5
  text "SDA" at 74.354,27.449 h1.5
  text "SDA" at 81.974,27.449 h1.5
  text "5V" at 74.355,24.908 h1.5
  text "5V" at 81.975,24.908 h1.5
  text "GND" at 74.354,22.368 h1.5
  text "GND" at 81.974,22.368 h1.5
  text "HUM" at 82.109,15.764 h1.5
  text "DHT" at 74.374,15.748 h1.5
  text "GND" at 74.39,13.224 h1.5
  text "GND" at 82.01,13.224 h1.5
  text "COM" at 49.514,11.043 h1.5 r90
  text "COM" at 64.741,11.043 h1.5 r90
  text "5V" at 74.355,10.684 h1.5
  text "5V" at 81.975,10.684 h1.5
  text "NO" at 44.434,10.487 h1.5 r90
  text "NO" at 59.661,10.487 h1.5 r90
  text "NC" at 54.581,10.442 h1.5 r90
  text "NC" at 69.808,10.442 h1.5 r90

## Text inside footprints (layer, text, board x,y; h text height)
ESP32_WROOM: Mechanical 13 "ANTENNA" at 17.11,49.793 h1.78 r90